# KiCad board misrc_v2.5_back_panel.kicad_pcb
date: 2025-10-15
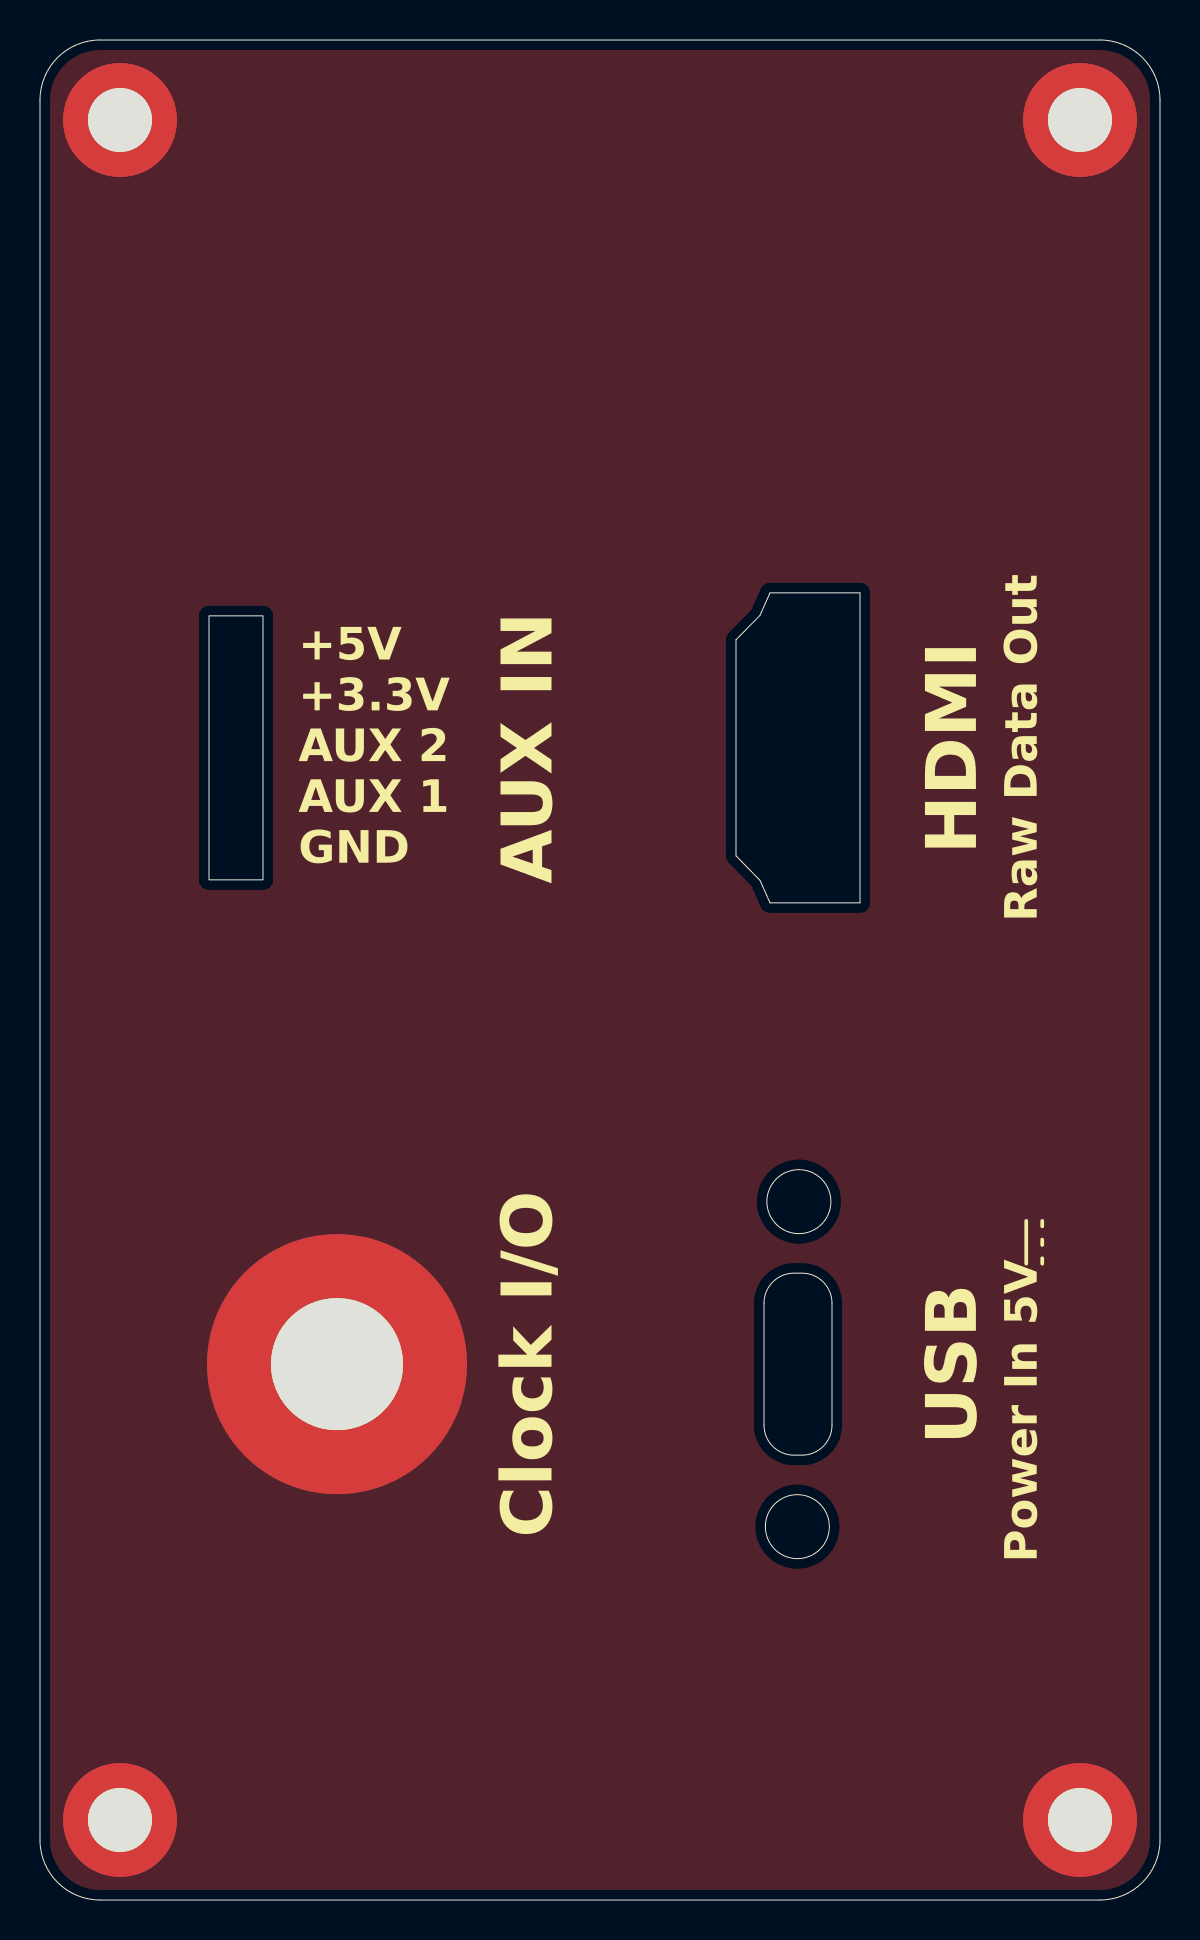
[diagram p0: board, top side]
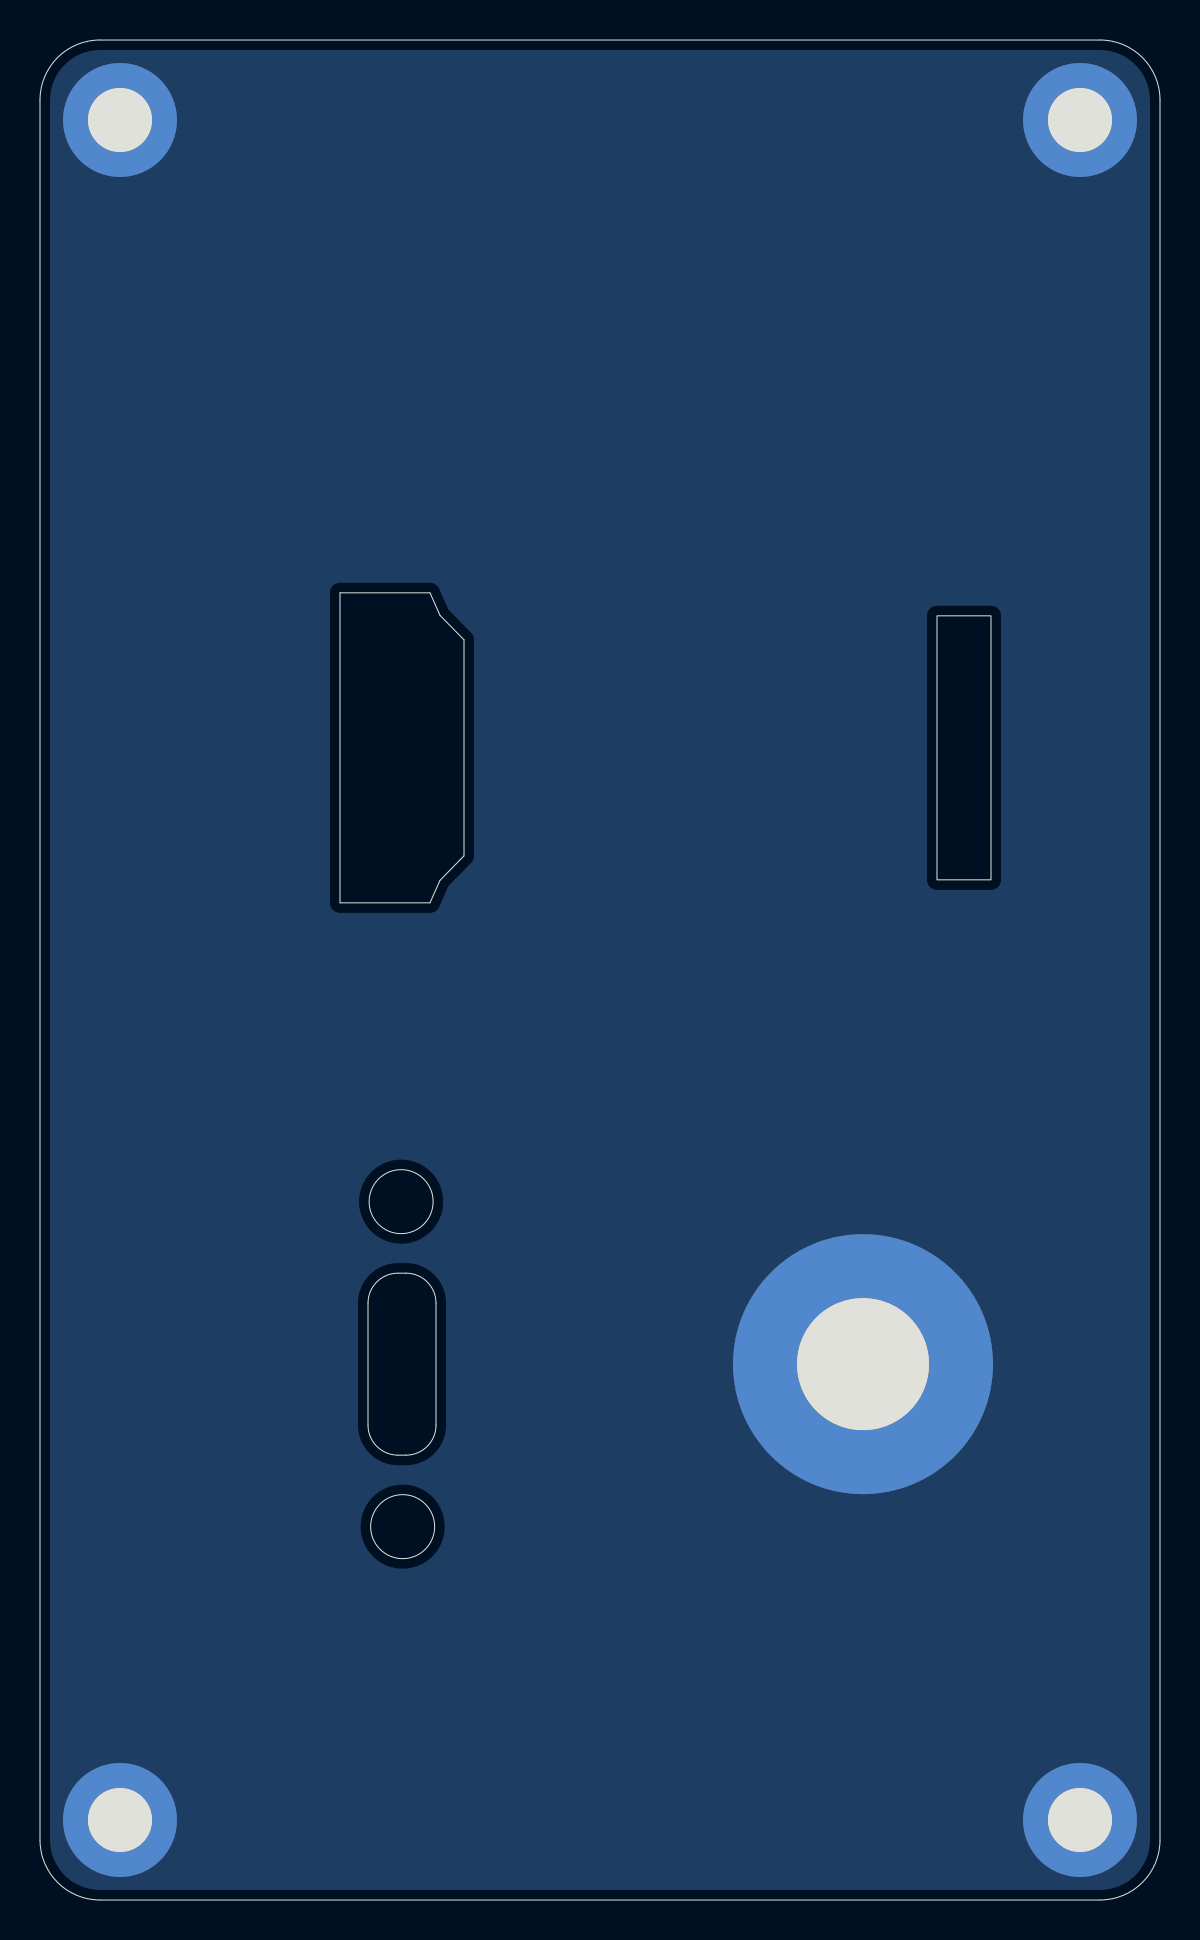
[diagram p1: board, bottom side, seen from below]

Outline 56 x 93 mm; copper layers: Top, Bottom. Coordinates in mm from the lower left corner of the outline.
Outline path: rectangle 8.45,64.21 11.15,51.01 ; circle c37.87,18.67 r1.6 ; circle c37.94,34.92 r1.6 ; 0,90 0,3 arc(0.88,0.88) 3,0 53,0 arc(55.12,0.88) 56,3 56,90 arc(55.12,92.12) 53,93 3,93 arc(0.88,92.12) 0,90 ; 34.8,63.01 34.8,52.21 36,50.98 36.5,49.86 41,49.86 41,65.36 36.5,65.36 36,64.23 34.8,63.01 ; 36.2,29.84 36.2,23.74 arc(36.64,22.68) 37.7,22.24 38.1,22.24 arc(39.16,22.68) 39.6,23.74 39.6,29.84 arc(39.16,30.9) 38.1,31.34 37.7,31.34 arc(36.64,30.9) 36.2,29.84
Stack: Top 0.035mm / dielectric 1.51mm FR4 er 4.5 / Bottom 0.035mm

## Placement (name value [footprint] x y rotation side)
H1  MountingHole_Pad  [MountingHole_3.2mm_M3_ISO7380_Pad]  4 89 0 top
H2  MountingHole_Pad  [MountingHole_3.2mm_M3_ISO7380_Pad]  4 4 0 top
H3  MountingHole_Pad  [MountingHole_3.2mm_M3_ISO7380_Pad]  52 4 0 top
H4  MountingHole_Pad  [MountingHole_3.2mm_M3_ISO7380_Pad]  52 89 0 top
H5  MountingHole_Pad  [MountingHole_6.5mm_Pad]  14.85 26.79 0 top

## Library data of the parts
H1-H5 = -: Description: Mounting Hole with connection; ki_fp_filters: MountingHole*Pad*

## Footprints (pads in the part's own frame, mm; a bottom-side part is the same pattern mirrored in y, then rotated)
MountingHole_3.2mm_M3_ISO7380_Pad
  round 5.7 hole 3.2: 1(0,0)
MountingHole_6.5mm_Pad
  round 13 hole 6.6: 1(0,0)

## Nets
GND: H1.1 H2.1 H3.1 H4.1 H5.1

## Copper pours and planes (outline as drawn; the poured copper is in the pictures)
GND on Top, Bottom: 0.42,92.51 0.42,0.43 55.59,0.43 55.59,92.51

## Text on the board
F.Silkscreen: +5V | +3.3V | AUX 2 | AUX 1 | GND | Raw Data Out | Power In 5V | AUX IN | Clock I/O | HDMI | USB | ⎓
